# KiCad board KiBoxLite_H.kicad_pcb (continued)
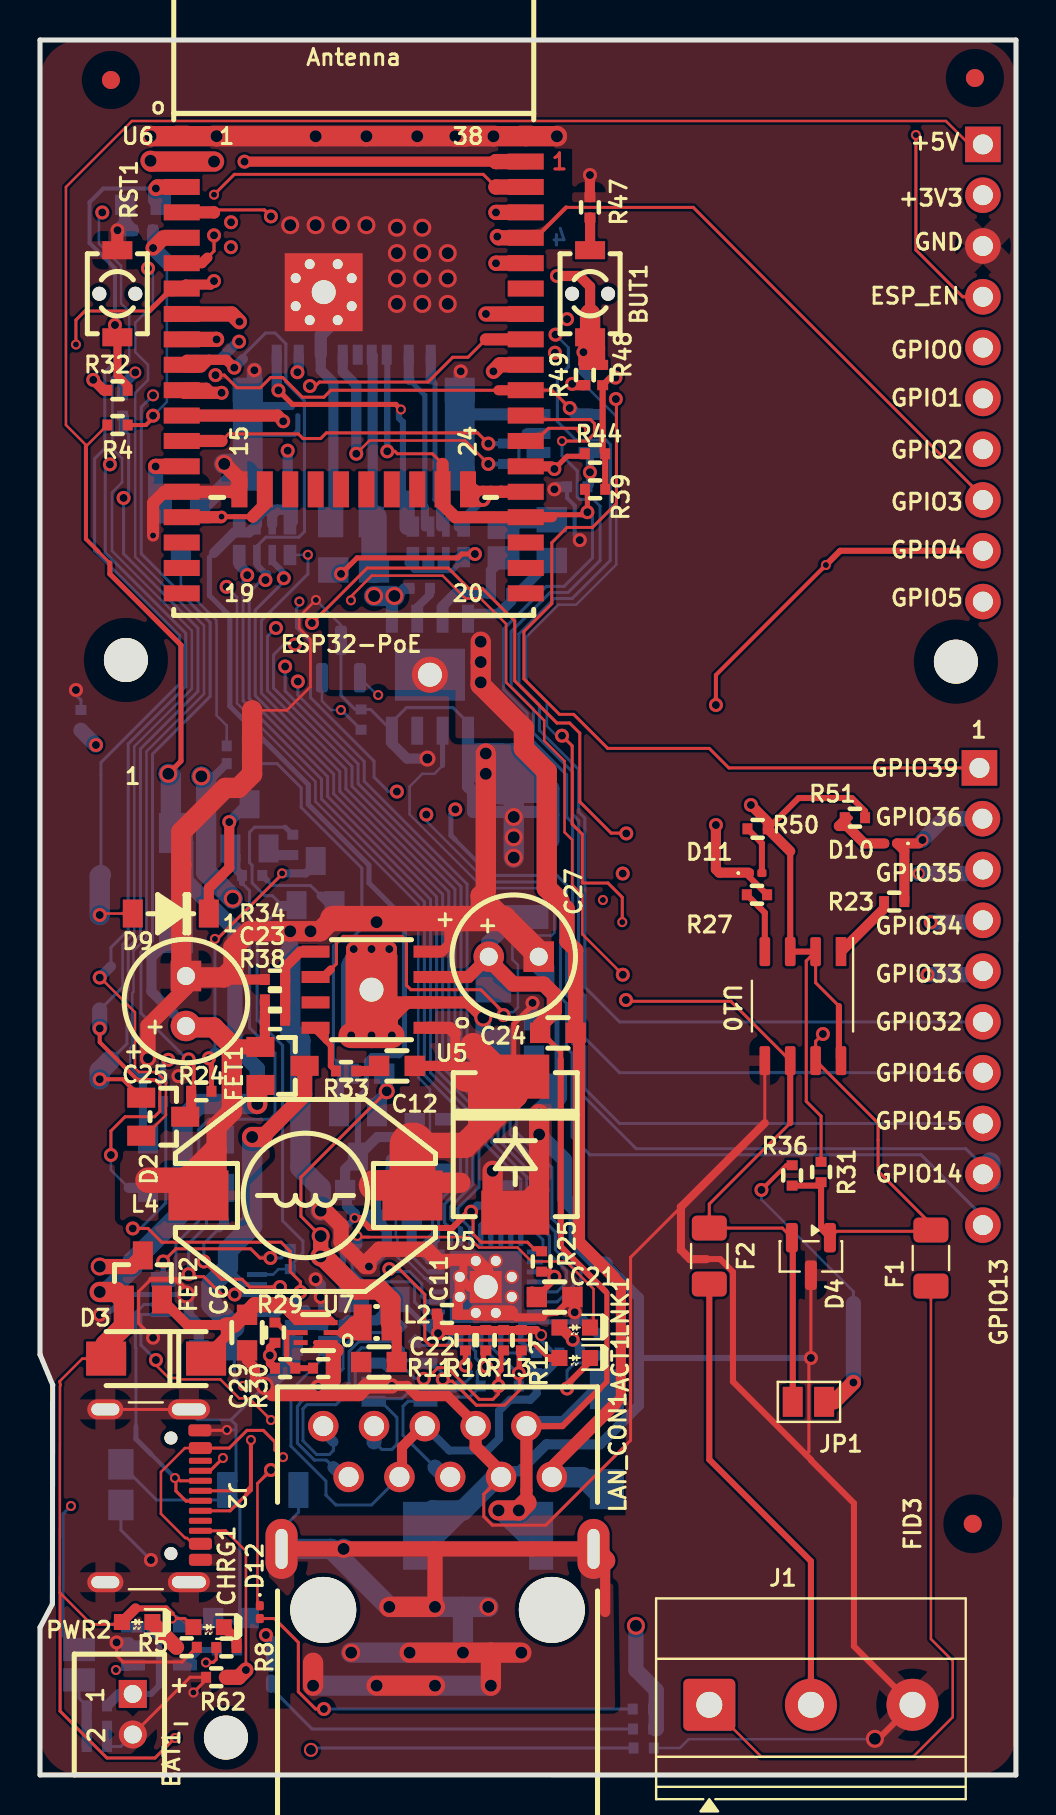
[diagram p0: board, top side]
## Footprints (pads in the part's own frame, mm; a bottom-side part is the same pattern mirrored in y, then rotated) (continued)
RJP-003TC1(LPJ4112CNL)
  round 3.3 hole 3.3 unplated: (-5.715,-0.15) (5.715,-0.15)
  oval 1.6x3 hole 0.6x2: 0(-7.8,2.9) 0(7.8,2.9)
  round 1.524 hole 1: 1(-5.715,9.04) 2(-4.445,6.5) 3(-3.175,9.04) 4(-1.905,6.5) 5(-0.635,9.04) 6(0.635,6.5) 7(1.905,9.04) 8(3.175,6.5) 9(4.445,9.04) 10(5.715,6.5)
SJ
  rect 1.168x1.6 smd: 1(-0.762,0) 2(0.762,0)
SMA-KA
  rect 2x1.7 smd: 1(-2.5,0) 2(2.5,0)
  rect 1.746x1.192 smd: 1(-2.373,0) 2(2.373,0)
SOD-123_1C-2A_KA
  rect 1x1.4 smd: 1(-1.9,0) 2(1.9,0)
SolderJumper_IND_Data
  rect 1x1.5 smd: 1(-0.77,0) 2(0.8,0)
SOT23
  rect 1.4x1 smd: 1(1.107,-0.95) 2(1.107,0.953) 3(-1.102,-0.003)
SOT23-3
  rect 1.4x1 smd: 1(1.1,-0.95) 2(1.1,0.95) 3(-1.1,0)
SOT-23
  rrect 1.475x0.6 smd: 1(-0.938,0.95) 2(-0.938,-0.95) 3(0.938,0)
SOT-23-5
  rect 1.2x0.55 smd: 1(1.3,-0.95) 2(1.3,0) 3(1.3,0.95) 4(-1.3,0.95) 5(-1.3,-0.95)
SOT-563-6
  rect 0.75x0.23 smd: (-0.775,0.5) (-0.775,0) (-0.775,-0.5) (0.775,0.5) (0.775,0) (0.775,-0.5)
  rect 0.7x0.25 smd: 1(0.75,-0.5) 2(0.75,0) 3(0.75,0.5) 4(-0.75,0.5) 5(-0.75,0) 6(-0.75,-0.5)
TerminalBlock_Phoenix_MKDS-1,5-3-5.08_1x03_P5.08mm_Horizontal
  rrect 2.6x2.6 hole 1.3: 1(0,0)
  round 2.6 hole 1.3: 2(5.08,0) 3(10.16,0)
USB_C_Receptacle_GCT_USB4105-xx-A_16P_TopMnt_Horizontal
  round 0.65 hole 0.65 unplated: (-2.89,2.205) (2.89,2.205)
  rrect 0.6x1.15 smd: A1_B12(-3.274,3.651) A4_B9(-2.387,3.674) B1_A12(3.2,3.68) B4_A9(2.4,3.68)
  rrect 0.3x1.15 smd: A5(-1.25,3.68) A6(-0.25,3.68) A7(0.25,3.68) A8(1.25,3.68) B5(1.75,3.68) B6(0.75,3.68) B7(-0.75,3.68) B8(-1.75,3.68)
  oval 1x2.1 hole 0.6x1.7: SH1(-4.32,3.105) SH4(4.32,3.105)
  oval 1x1.8 hole 0.6x1.4: SH2(-4.32,-1.075) SH3(4.32,-1.075)
uSD(TFC-9P-1.xH(ATFFS150A01BR016))
  rect 1.76x1.46 smd: (-5.3,-1.55) (-5.3,2.9) (5.3,-1.55) (5.3,2.9)
  rect 0.5x1 smd: 1(3.85,-3.3) 2(2.75,-3.3) 3(1.65,-3.3) 4(0.9,-3.3) 5(-0.55,-3.3) 6(-1.65,-3.3) 7(-2.75,-3.3) 8(-3.85,-3.3) CD1(0.2,-3.3)
  rect 1.5x1.2 smd: CH1(-5.3,-1.55) CH1(-5.3,2.9) CH1(5.3,-1.55) CH1(5.3,2.9)
  rect 1.5x4.5 smd: CH1(-5.3,0.5) CH1(5.3,0.5)

## Nets
+3.3V: C10.1 C22.1 C29.2 EXT1.2 FET3.2 L2.2 L5.1 R2.1 R16.2 R29.2 R32.1 R37.1 R39.1 R44.2 R48.1 R56.1 RM3.1.2 RM3.2.2 RM3.3.2 RM3.4.2 U6.2
+3.3VLAN: C9.1 C14.1 C28.2 FET3.3 L1.1 R25.2 RM1.3.1 RM2.1.1 RM2.2.1 RM2.3.1 RM2.4.1 U4.12 U8.5
+5V: C1.1 CHRG1.2 D1.1 D3.2 EXT1.1 FET1.2 FET2.1 PWR2.2 R1.1 R4.1 R31.1 R50.2 R51.2 U3.4 U10.2 U10.3 U10.8
+5VP: C23.1 C25.1 D1.2 FET1.1 L4.2 R38.1
GND: BAT1.2 C1.2 C2.1 C3.2 C6.2 C7.2 C8.2 C9.2 C11.2 C13.2 C14.2 C15.2 C16.2 C17.2 C18.2 C19.2 C20.2 C21.1 C22.2 C25.2 C26.2 C27.2 C28.1 D4.3 D4#2.3 D5.2 EXT1.3 J1.3 J2.A1_B12 J2.B1_A12 J2.SH1 J2.SH2 J2.SH3 J2.SH4 L7.1 L7.2 LAN_CON1.7 LAN_CON1.8 MICRO_SD1.6 MICRO_SD1.CH1 R1.2 R5.2 R6.2 R7.2 R9.2 R15.2 R22.2 R26.2 R30.2 R34.2 R35.2 R41.1 R42.2 R47.2 R62.2 R63.1 RM1.1.1 RM1.2.1 RST1.2 T1.2 TVS1.2 U1.3 U3.2 U4.24 U4.25 U4.33 U5.4 U6.1 U6.15 U6.38 U6.39 U7.1 U8.3 U9.5 U9.8 U10.5
VBUS: C7.1 FET1.3 J2.A4_B9 J2.B4_A9 R18.1 U1.7
/D+: J2.A6 J2.B6 U1.1
/D-: J2.A7 J2.B7 U1.2
/D_Com: D2.3 R24.2 R49.2
/ESP_EN: C20.1 D9.2 EXT1.4 R32.2 RST1.1 U6.3
/GPI34\BUT1: BUT1.1 EXT2.4 R48.2 R49.1 U6.6
/GPI35: BAT_SENS_E1.1 EXT2.3 U6.7
/GPI36\U1RXD: D10.1 EXT2.2 R23.1 U6.4
/GPI39: EXT2.1 R4.2 R9.1 U6.5
/GPIO0: D2.2 EXT1.5 R44.1 U6.25 U8.2
/GPIO1\U0TXD: D7.1 EXT1.6 U6.35
/GPIO2\HS2_DATA0: D2.1 EXT1.7 R46.1 RM3.4.1 U6.24
/GPIO3\U0RXD: D6.2 EXT1.8 R16.1 R19.2 U6.34
/GPIO4\U1TXD: D11.1 EXT1.9 R27.1 U6.26
/GPIO5\SPI_CS: EXT1.10 U6.29
/GPIO12\PHY_PWR: T1.1 U6.14
/GPIO13\I2C-SDA: EXT2.10 U6.16
/GPIO14\HS2_CLK: EXT2.9 R40.1 U6.13
/GPIO15\HS2_CMD: EXT2.8 MICRO_SD1.3 R39.2 U6.23
/GPIO16\I2C-SCL: EXT2.7 R45.2 U6.27
/GPIO17\EMAC_CLK_OUT_180: U4.5 U6.28 U8.4
/GPIO18\MDIO(RMII): RM2.4.2 U4.16 U6.30
/GPIO19\EMAC_TXD0(RMII): U4.22 U6.31
/GPIO21\EMAC_TX_EN(RMII): U4.21 U6.33
/GPIO22\EMAC_TXD1(RMII): U4.23 U6.36
/GPIO23\MDC(RMII): U4.17 U6.37
/GPIO25\EMAC_RXD0(RMII): RM2.2.2 U4.11 U6.10
/GPIO26\EMAC_RXD1(RMII): RM2.1.2 U4.10 U6.11
/GPIO27\EMAC_RX_CRS_DV: RM2.3.2 U4.15 U6.12
/GPIO32: EXT2.6 U6.8
/GPIO33: EXT2.5 R45.1 U6.9
/RD+: LAN_CON1.3 R11.2 TVS1.1 TVS3.1 U4.31
/RD-: LAN_CON1.6 R10.2 TVS1.5 TVS3.2 U4.30
/TD+: LAN_CON1.1 R13.2 TVS1.3 TVS2.2 U4.29
/TD-: LAN_CON1.2 R12.2 TVS1.4 TVS2.1 U4.28
Spare1: C24.1 C27.1 D8.1 LAN_CON1.9 R7.1 R28.2 R42.1 R52.1 U5.3 U9.1
Spare2: C24.2 D8.2 LAN_CON1.10 R53.2 R54.1 U9.4 U9.9
Net-(ACT1-A): ACT1.2 U4.3
Net-(ACT1-K): ACT1.1 R15.1
Net-(BAT_SENS_E1-Pad2): BAT_SENS_E1.2 C19.1 R17.2 R22.1
Net-(BUT1-Pad2): BUT1.2 R47.1
Net-(C10-Pad2): C10.2 FET3.1 R2.2 R3.1
Net-(C12-Pad2): C12.2 R33.2
Net-(C26-Pad1): C26.1 R43.1
Net-(CHRG1-K): CHRG1.1 R8.1
Net-(Class4_EN1-Pad1): Class4_EN1.1 R54.2
Net-(D3-K): C6.1 D3.1 FET2.2 U7.3 U7.4
Net-(D4-A1): D4.1 D4#2.1 F1.1 R31.2 R36.1 U10.7
Net-(D4-A2): D4.2 D4#2.2 F2.1 JP1.1 R35.1 U10.6
Net-(D5-K): C12.1 D5.1 L4.1 R43.2 U5.1
Net-(D9-K): D9.1 Q2.3
Net-(D10-A): D10.2 R51.1
Net-(D11-A): D11.2 R50.1
Net-(D12-A): D12.2 R56.2
Net-(D12-K): D6.1 D12.1 U1.8
Net-(D13-A): D13.2 R37.2
Net-(D13-K): D7.2 D13.1 R18.2 U1.9
Net-(J1-Pin_1): F1.2 J1.1
Net-(J1-Pin_2): F2.2 J1.2
Net-(J2-CC1): J2.A5 R63.2
Net-(J2-CC2): J2.B5 R62.1
Net-(JP1-B): JP1.2 R36.2
Net-(LAN_CON1-RCT): C11.1 C13.1 C15.1 C16.1 L1.2 LAN_CON1.4 LAN_CON1.5 R10.1 R11.1 R12.1 R13.1 R14.1 U4.1 U4.27
Net-(LAN_CON1-Shield): C2.2 LAN_CON1.0
Net-(LNK1-A): LNK1.2 R14.2
Net-(LNK1-K): LNK1.1 U4.2
Net-(MICRO_SD1-CD/DAT3/CS): MICRO_SD1.2 RM3.2.1
Net-(MICRO_SD1-CLK/SCLK): MICRO_SD1.5 R40.2
Net-(MICRO_SD1-DAT0/DO): MICRO_SD1.7 R46.2
Net-(MICRO_SD1-DAT1/RES): MICRO_SD1.8 RM3.1.1
Net-(MICRO_SD1-DAT2/RES): MICRO_SD1.1 RM3.3.1
Net-(MICRO_SD1-VDD): C3.1 L5.2 MICRO_SD1.4
Net-(PWR2-K): PWR2.1 R5.1
Net-(Q2-B): Q2.1 R20.2
Net-(Q2-E): Q2.2 R21.1 U1.4
Net-(Q3-B): Q3.1 R21.2
Net-(Q3-C): Q3.3 R24.1
Net-(Q3-E): Q3.2 R20.1 R55.1 U1.6
Net-(R28-Pad1): R28.1 U5.2 U5.9
Net-(T1-C): R3.2 T1.3
Net-(U1-CTS#): R55.2 U1.5
Net-(U1-V3): C8.1 R19.1 U1.10
Net-(U3-CHRGb): R8.2 U3.1
Net-(U3-PROG): R6.1 U3.5
Net-(U3-VBAT): BAT1.1 FET2.3 R17.1 U3.3
Net-(U4-NRST): C21.2 R25.1 U4.19
Net-(U4-RBIAS): R26.1 U4.32
Net-(U4-RXCLK/PHYAD1): RM1.1.2 U4.7
Net-(U4-RXD2/RMIISEL): RM1.3.2 U4.9
Net-(U4-RXD3/PHYAD2): RM1.2.2 U4.8
Net-(U4-RXER/RXD4/PHYAD0): R41.2 U4.13
Net-(U4-VDDCR): C17.1 C18.1 U4.6
Net-(U5-BS): R33.1 U5.8
Net-(U5-EN): U5.6 U9.6
Net-(U5-FB): C23.2 R34.1 R38.2 U5.5
Net-(U7-FB): C29.1 R29.1 R30.1 U7.5
Net-(U7-SW): L2.1 U7.2
Net-(U9-CLS): Class4_EN1.2 R53.1 U9.3
Net-(U9-DEN): R52.2 U9.2
Net-(U10-DI): R27.2 U10.4
Net-(U10-RO): R23.2 U10.1

Pads without a net: FID1 Fid1; FID2 Fid1; FID3 Fid1; FID4 e; FID5 Fid1; FID6 Fid1; J2 A8 B8; MICRO_SD1 CD1; RM1 4.1 4.2; U4 4 14 18 20 26; U5 7; U6 17 18 19 20 21 22 32; U7 6; U8 1; U9 7

## Via types
v1: diameter 0.7, hole 0.4, Top to Bottom, 139 vias
v2: diameter 0.6, hole 0.4, Top to Bottom, 5 vias
v3: diameter 0.9, hole 0.6, Top to Bottom, 71 vias
v4: diameter 0.5, hole 0.3, Top to Bottom, 34 vias
v5: diameter 0.8, hole 0.5, Top to Bottom, 3 vias
v6: diameter 0.7, hole 0.5, Top to Bottom, 1 via

## Routing (per net, layer and track width the routed paths; a pad name or vN(x,y) marks a point on that pad's centre or on a via; arc(x,y) is an arc through that point)
+3.3V: length 260.3
  Top w0.152: v5(17.34,34.19) 13.05,29.89 13.05,27.94 v3(14.04,26.95)
  Top w0.254: v1(15.05,60.06) 15.85,60.86 20.89,60.86 21.09,61.05 v1(21.75,61.05)
  Top w0.305: R39.1 R44.2 28.13,66.19 R48.1 28.51,69.87 v1(28.78,69.87)
  Top w0.406: R29.2 11.5,21.36 v1(11.5,20.98) 11.5,20.6 C29.2
  Top w0.508: L2.2 17.84,22.32 17.84,20.72 ; R32.1 3.18,69.24 v1(2.66,69.76)
  Top w0.762: v3(14.04,25.93) v3(14.04,26.95)
  Top w1.016: v3(14.04,25.93) 14.16,25.93 15.81,24.28 16.96,24.28 17.53,23.71 L2.2 ; v3(5.53,80.71) 5.57,80.67 v3(8.7,80.67)
  In1.Cu w0.11: 2.66,64.55 2.55,64.67 ; 2.55,69.64 v1(2.66,69.76)
  In1.Cu w0.127: v1(28.78,69.87) 27.83,70.82 27.83,73.37 27.47,73.72 27.47,74.28 20.5,81.25 9.28,81.25 ; v1(6.42,35.76) 7.01,36.35 15.17,36.35 v5(17.34,34.19)
  In1.Cu w0.152: v1(2.66,69.76) 2.37,70.05 2.37,73.03 1.85,73.55 1.85,77.68 4.88,80.71 ; 14.92,59.45 14.92,55.03 9.83,49.93 ; 7.02,36.37 7.68,36.37 10.35,39.03 10.35,43.11 v3(9.64,43.82) ; v1(11.5,20.98) 11.43,21.05 11.43,24.64 12.72,25.93 ; 20.7,61.05 18.3,63.45 4.6,63.45 4.42,63.27 3.94,63.27 2.66,64.55
  In1.Cu w0.203: 2.55,64.67 2.55,69.64
  In1.Cu w0.254: v1(6.42,35.76) 7.02,36.37
  In1.Cu w0.508: 37.89,78.99 v1(28.78,69.87) ; 9.28,81.25 v3(8.7,80.67) ; 12.72,25.93 v3(14.04,25.93)
  In1.Cu w0.762: v1(15.05,60.06) 14.92,59.93 14.92,59.45 ; 4.88,80.71 v3(5.53,80.71) ; v1(21.75,61.05) 20.7,61.05 ; 47.3,78.99 37.89,78.99 ; v3(8.07,49.93) 9.83,49.93
  In2.Cu w0.152: v3(29.8,7.46) 29.8,15.07 23.36,21.5 18.47,21.5 v3(14.04,25.93) ; 47.3,78.99 45.03,81.26 9.29,81.26 v3(8.7,80.67)
  Bottom w0.254: 19.24,60.22 18.71,60.22 18.35,60.58 18.35,60.86 ; 19.24,60.22 19.24,60.86 ; 19.24,60.22 20,60.22 ; 20,60.22 20.61,60.22 20.89,60.5 20.89,60.86 ; 20,60.22 20,60.86
  Bottom w0.305: v1(6.42,35.76) 6.16,35.51 R16.2
  Bottom w0.406: R2.1 8.7,49.93 v3(8.07,49.93) ; v1(21.75,61.05) 21.09,61.05 20.89,60.86
  Bottom w0.508: FET3.2 16.85,33.7 v5(17.34,34.19) ; 14.16,60.6 14.32,60.6 L5.1
  Bottom w0.61: v5(17.34,34.19) 17.34,34.95 C10.1
  Bottom w0.762: 30.8,2.3 30.81,2.31 30.81,4.23 29.8,5.25 v3(29.8,7.46) ; 14.86,60.25 v1(15.05,60.06) 14.87,60.06 L5.1 14.86,60.25
  Bottom w1.016: v3(8.07,49.93) 8.31,49.69 8.31,45.15 v3(9.64,43.82)
+3.3VLAN: length 90.3
  Top w0.152: v1(21.55,28.17) 21.66,28.06 21.66,27.05 22.06,26.64 24.37,26.64 24.7,26.31
  Top w0.254: R25.2 24.96,26.31 24.7,26.31
  Top w0.305: 21.43,28.17 20.61,27.35 16.48,27.35 15.98,27.85 v4(15.73,27.85)
  Top w0.406: v1(21.55,28.17) 21.43,28.17
  In1.Cu w0.254: v1(12.38,66.22) 12.42,66.25 ; 26.53,66.01 24.25,66.01 22.93,67.33 15.18,67.33 14.1,66.25 ; 27.41,65.14 v1(27.5,65.14)
  In1.Cu w0.508: 12.42,66.25 14.1,66.25 ; 26.53,66.01 27.41,65.14
  Bottom w0.152: 15.73,27.84 v4(15.73,27.85)
  Bottom w0.254: U4.12 22.04,27.48 22.54,27.99 C14.1 ; 15.89,33.89 16.32,34.31 16.32,35.71 16.58,35.96 17.97,35.96 18.23,36.22 18.23,42.82 16.45,44.6 16.45,45.5 13.42,48.53 13.42,49.52 9.49,53.44 9.49,57.95 8.47,58.97 8.47,60.88 8.7,61.11
  Bottom w0.305: 15.73,27.84 15.15,27.25 15.15,24.44 15.81,23.77 ; 15.89,33.89 FET3.3
  Bottom w0.406: v1(21.55,28.17) 21.86,28.47 C14.1 ; C28.2 27.5,64.54 v1(27.5,65.14) 27.5,66.1 U8.5 ; 11.37,63.14 11.24,63.27
  Bottom w0.508: 11.88,63.27 11.24,63.27 10.85,62.87 RM2.2.1 10.45,62.12 9.72,62.12 8.7,61.11 ; 11.88,63.27 12.64,63.27 ; 11.88,63.27 11.61,63 RM2.3.1 ; v1(12.38,66.22) 12.38,63.52 12.64,63.27 ; RM1.3.1 16.87,31.9 FET3.3 ; FET3.3 15.89,31.34 ; FET3.3 15.26,30.29 C9.1 15.35,29.16 15.35,28.45 15.73,28.06 v4(15.73,27.85) ; RM2.4.1 12.64,62.67 12.64,63.27
+5V: length 235.2
  Top w0.127: D3.2 2.12,20.82 0.97,19.68 1,19.65 1,19.57 1.03,19.5 1,19.43 0.98,9.13 2.58,7.53 ; R4.1 2.3,66.43 2.3,66.5 1.3,67.5 1.3,79.4 4.6,82.7 45.3,82.7 46.47,81.53 EXT1.1
  Top w0.152: R50.2 36.39,47.66 ; CHRG1.2 7.24,7.83 v4(6.6,7.83) ; 39.95,38.45 38.78,39.62 U10.2 38.31,40.7 38.31,33.68 39.05,32.94 R31.1 ; U10.8 39.95,35.82 ; 1,9.11 1,3.19 3.35,0.85 5.75,0.85 v4(6.75,1.85) ; 4.1,7.53 2.58,7.53 ; 3.49,60.6 2.92,61.18
  Top w0.203: 2.3,66.43 2.3,61.8 2.92,61.18
  Top w0.254: v3(6.42,50.06) 7.05,50.7 7.05,56.5 3.49,60.05 3.49,60.6
  Top w0.305: 37.51,46.19 U10.3 U10.2 ; v4(6.6,7.83) 6.6,8.03 6.3,8.33 4.78,8.33 ; R50.2 37.93,48.85 40.59,48.85 41.25,48.19 R51.2 ; 39.95,35.82 39.95,38.45
  Top w0.508: 36.39,47.66 v1(35.55,48.5) ; R50.2 37.51,46.19 ; PWR2.2 4.78,8.33
  Top w1.016: D3.2 3.28,20.85 3.28,21.53 4.2,22.44 4.2,23.77 3.81,24.15 v3(2.99,24.15) ; FET1.2 10.86,34.34 v3(10.86,33.55)
  In1.Cu w0.762: v1(2.8,51.5) 2.8,51 3.74,50.06 v3(6.42,50.06)
  In2.Cu w0.127: 30.55,43.32 30.47,43.25 17.1,43.25 17.09,43.26 16.57,43.26 16.56,43.25 14.76,43.25 14.68,43.32
  In2.Cu w0.152: v4(6.6,7.83) 6.75,7.68 v4(6.75,1.85) ; v1(35.55,48.5) 35.55,48.32 30.55,43.32 ; v3(6.42,50.06) 8.25,48.23 9.78,48.23 14.68,43.32
  Bottom w0.15: v1(2.8,51.5) 2.78,51.5
  Bottom w0.305: C1.1 8.21,7.4 U3.4 6.82,7.83 v4(6.6,7.83)
  Bottom w0.762: 2.78,51.5 R1.1 ; D1.1 7.29,46.6 7.29,44.73 9.75,42.27 9.75,36.44 10.86,35.33 v3(10.86,33.55)
  Bottom w1.016: v3(2.99,24.15) 3.37,24.15 4.64,25.42 4.64,25.68 7.13,28.17 7.13,32.74 7.94,33.55 v3(10.86,33.55) ; D1.1 6.54,47.35 6.54,49.93 v3(6.42,50.06)
+5VP: length 26.8
  Top w0.508: C23.1 R38.1 11.24,36.62 FET1.1
  Top w0.762: 9.59,36.47 9.66,36.4 FET1.1
  Top w1.016: 8.83,31.26 8.7,31.26 7.18,29.74 7.18,29.72 7.92,28.98 8.83,29.88 8.83,31.26 ; 8.83,31.26 8.83,32.41 9.59,33.17 9.59,36.47 8.68,37.38 7.3,37.38
  Top w1.27: 7.92,28.98 7.16,29.74 5.4,29.74
  Bottom w0.508: C25.1 5.57,39.18 5.57,40.87 D1.2
GND: length 609.4
  Top w0.127: v4(13.8,58.75) 12.97,57.92 12.97,57.34 13.52,56.78 13.52,54.41 12.34,53.23 10.61,53.23 ; 7.55,9.97 7.55,9.43 ; 8.09,17.02 8.09,17.23
  Top w0.152: R5.2 7.11,5.65 4.15,5.65 3.83,5.97 v1(3.83,6.63) ; v3(16.83,42.64) 16.45,43.02 ; 7.55,18.28 3.37,18.28 ; U10.5 36.24,32.59 29.53,25.88 29.53,16.73 25.29,12.49 22.62,12.49 22.19,12.92 22.19,14.04 LAN_CON1.8 ; 9.92,49.35 10.04,49.35 ; v1(5.65,21.87) 4.93,22.59 4.93,24.17 5.55,24.79 ; 38.3,16.02 38.45,16.17 38.45,20.75 v1(38.55,20.85) D4.3 ; v4(7.67,4.12) 8.31,4.76 R62.2 7.5,4.89 BAT1.2 ; 8.09,17.23 9.33,17.23 v4(9.35,17.25) ; 33.47,25.79 33.33,25.79 ; v1(5.55,10.75) 5.61,10.75
  Top w0.254: 5.55,24.79 6.78,24.79 7.3,24.27 v3(7.3,24.03) ; 13.78,21.61 13.79,21.62 U7.1 14.27,21.36
  Top w0.305: 25.14,22.88 25.36,23.11 25.83,23.11 C21.1 ; v3(41.75,1.81) 41.93,1.81 J1.3 40.7,6.44 40.7,13.59 38.55,15.74 38.55,15.77 34.65,19.67 34.65,25.16 34.01,25.79 33.47,25.79 ; 13.78,21.36 14.27,21.36
  Top w0.406: 36.24,32.59 32.05,28.4 32.05,26.25 32.5,25.79 33.33,25.79 ; 23.53,23.11 23.59,23.11 23.81,22.88 25.14,22.88 ; 26.74,23.52 26.38,23.87 26.38,23.9 26.61,23.9 ; 21.49,24.41 U4.33 21.17,25.09 21.17,25.44 ; 18.61,19.2 18.48,19.33
  Top w0.508: R34.2 9.3,39.77 9.19,39.88 ; LAN_CON1.7 21.78,17.55 20.39,18.94 18.86,18.94 18.35,19.45 v1(17.59,19.45) ; 21.49,24.41 U4.33 ; 13.65,19.33 13.91,19.07 v1(13.91,19.4) ; U4.33 U4.33 20.89,23.81 20.89,23.01 21.69,23.01 U4.33 ; 10.61,52.04 10.61,53.23 10.48,53.36 ; 26.74,23.52 v1(26.74,23.14) ; R47.2 v1(27.5,80) ; D5.2 23.66,28.12 22.63,29.15 ; 21.73,25.76 U4.33 21.75,25.71 ; 20.39,42.82 20.46,42.74 20.46,41.53 20.1,41.17 U5.4 ; v3(11.24,19.45) 11.62,19.07 10.75,19.95 10.75,20.34 10.35,20.74 C6.2 ; 20.21,25.66 20.31,25.76
  Top w0.61: 9.72,64.16 6.22,64.16 5.65,63.6 v4(5.65,61.97) ; LAN_CON1.7 21.78,16.42 23.05,15.15 LAN_CON1.8 ; 20.31,25.76 21.73,25.76 ; RST1.2 3.87,77.23 v1(3.88,77.24)
  Top w0.762: v3(9.21,65.55) 9.99,64.78 9.99,64.43 9.72,64.16 ; U4.33 U4.33 23.53,23.11 ; 20.21,25.66 19.97,25.66 19.34,26.29 16.96,26.29 16.45,25.78 v1(16.45,25.42) 16.27,25.42 15.05,26.64 15.05,27.45 14.29,28.22 v3(14.04,28.22) ; 7.3,39.88 7.3,39.37 5.4,37.46 v5(5.4,35.84) ; v1(13.91,19.4) 14.31,19.4 14.67,19.77 R30.2 14.67,21.23 14.8,21.23 ; 11.62,19.07 15.94,19.07 16.32,19.45 v1(17.59,19.45) ; U4.33 22.29,25.21 U4.33
  Top w1.016: 21.27,81.94 v3(20.77,81.94) ; 21.27,81.94 v3(18.86,81.94) v3(16.32,81.94) v3(13.78,81.94) 8.83,81.94 v3(8.83,81.94) 5.53,81.94 v3(5.53,81.94) ; 21.27,81.94 v3(22.67,81.94) 22.68,81.94 U6.38 25.84,81.94 v3(25.85,81.94) ; 10.61,51.58 10.61,53.23 ; 22.04,43.96 22.29,44.22 v3(22.29,51.08) ; 22.04,43.96 22.04,43.25 21.61,42.82 21.15,42.82 ; 22.04,43.96 23.18,42.82 ; 14.64,42.82 14.01,42.19 v3(13.53,42.19) v3(12.51,42.19) 10.47,42.19 9.67,41.38 9.67,40.36 9.19,39.88 7.3,39.88 7.06,40.12 7.06,47.15 9.27,49.35 9.92,49.35 10.61,50.04 10.61,52.04 ; 23.46,28.22 23.69,27.99 24.96,29.26 v3(24.96,32.03) v3(24.96,33.04) ; v3(22.63,30.21) 22.63,29.15
  Top w1.27: C27.2 24.94,41.06 23.18,42.82 14.64,42.82
  In1.Cu w0.15: v1(5.55,10.75) 6.87,9.43 7.55,9.43 3.37,9.43 3.37,18.07 7.55,18.07 7.55,18.23
  In1.Cu w0.152: v1(27.5,80) 25.85,81.65 v3(25.85,81.94) ; 23.94,62.25 25.72,64.03 v1(25.72,64.28) ; v1(3.83,6.63) 3.05,5.85 3.05,3.79 3.66,3.17 3.66,3.08 6.62,3.08 v4(7.67,4.12) ; v3(14.04,28.22) 13.02,28.22 v5(5.4,35.84) ; v1(1.8,54.25) 1.8,56.5 5.65,60.36 v4(5.65,61.97)
  In1.Cu w1.016: 26.48,40.92 C27.2 24.94,39.67 ; v3(22.29,51.08) 23.31,51.08 23.94,51.71 23.94,62.25
  In1.Cu w1.27: C27.2 24.94,42.8
  In2.Cu w0.152: 47.3,76.45 44.8,78.95 44.8,80.2 44.05,80.95 28.93,80.95 27.97,80 v1(27.5,80) ; v3(5.53,81.94) 3.88,80.29 v1(3.88,77.24)
  In2.Cu w0.762: 19.62,51.08 v3(22.29,51.08) v3(22.29,50.06) 21.91,50.44 19.75,50.44 v5(19.37,50.82) 19.62,51.08
  Bottom w0.127: 9.55,17.76 7.86,17.76 7.55,18.07 ; v3(41.75,1.81) 41.75,1.77 41.73,1.79 32.44,1.79 32,1.35 30.8,1.35 30.8,1.37 ; D4#2.3 15.05,57.5 v4(13.8,58.75)
  Bottom w0.15: 9.55,17.76 9.8,17.51 9.8,14.68 C2.1 ; C2.1 8.87,13.75 5.83,13.75 ; C2.1 9.99,13.63 9.99,7.9 10.04,7.85 C1.2 ; R1.2 2.05,53.75 1.8,54 v1(1.8,54.25)
  Bottom w0.152: 17.5,22.41 17.21,22.12 15.88,22.12 15.15,21.4 15.15,20.32 14.24,19.4 v1(13.91,19.4) ; BAT1.2 4.04,1.42 C19.2 ; 18.02,22.46 17.93,22.37 ; U9.5 21.4,52.61 20.65,53.37 18.33,53.37 17.59,52.64 U9.8 16.53,53.28 R35.2 15.76,53.28 15.05,53.99 D4#2.3 ; 4.07,13.48 L7.1 4.05,12.25 v1(5.55,10.75) ; L7.2 5.83,13.75 ; 9.7,13.59 9.55,13.75 ; 9.55,17.76 v3(11.24,19.45) ; v4(9.35,17.25) 9.8,17.25
  Bottom w0.203: C28.1 26.35,63.85 26.74,63.47 26.74,62 v1(26.99,61.74)
  Bottom w0.254: 25.59,39.26 25.59,38.63 25.85,38.38 25.85,34.44 ; 25.59,39.26 25.59,39.39 25.21,39.77 ; 25.59,39.26 25.59,40.28 25.47,40.41 ; U4.24 24.04,22.66 ; U4.24 27.22,22.66 27.5,22.37 ; U4.24 24.35,22.66 24.04,22.35 U4.25 ; 24.04,22.66 U4.33 ; 24.04,22.66 U4.25 ; 24.96,21.1 24.63,21.1 24.04,21.69 U4.25 ; RM1.2.1 17.97,31.14 17.59,30.76 ; v3(7.3,24.03) U1.3 4.35,24.03 3.52,23.19 3.16,23.19 v1(2.99,23.01) ; 12.89,67.97 12.89,67.2 12.71,67.03 10.57,67.03 MICRO_SD1.CH1
  Bottom w0.305: R6.2 9.85,7.67 9.86,7.68 ; 17.5,22.41 R26.2 ; RM1.1.1 17.59,30.25 ; v1(38.55,20.85) 29.95,20.85
  Bottom w0.406: MICRO_SD1.CH1 10.39,68.45 12.56,68.45
  Bottom w0.508: v3(22.63,30.21) 22.63,29.65 22.8,29.49 22.93,29.49 ; C9.2 16.8,29.02 C17.2 17.34,27.23 C18.2 v1(16.45,25.42) ; 13.27,22.5 13.27,23.26 ; 13.27,22.5 12.51,22.5 12.51,21.23 12.64,21.1 ; 13.27,22.5 C16.2 14.16,23.77 v1(14.04,23.9) 14.04,24.53 v1(13.78,24.79) ; C27.2 24.96,40.92 25.47,40.41 ; C1.2 10.03,7.85 9.86,7.68 ; v1(3.83,6.63) 4.47,6.63 U3.2 ; 14.04,71.01 14.04,70.25 14.67,69.62 14.67,62.89 ; R22.2 C19.2 ; v3(7.3,24.03) 7.43,23.9 7.43,23.01 7.94,22.5 C7.2 ; 21.4,51.33 22.8,51.33 23.05,51.08 ; v1(25.72,64.28) 25.85,64.41 C28.1 ; 22,51.04 22.04,51.08 ; 17.08,28.98 17.34,29.23 ; C7.2 7.69,21.49 ; C7.2 8.19,21.49 ; MICRO_SD1.CH1 20.99,64.83 21.02,64.79 ; R15.2 27.5,22.37 v1(26.74,23.14) ; LAN_CON1.8 23.33,15.19 23.97,15.19 25.31,16.53 28.01,16.53 29.95,18.47 29.95,23.86 28.26,25.55 ; 22.93,29.49 C14.2 ; 22.93,29.49 R41.1 ; v5(19.37,50.82) 18.35,50.82 17.59,51.58 U9.8 ; v1(17.59,19.45) 17.4,19.64 TVS1.2
  Bottom w0.61: v1(21.04,70.18) 20.99,70.13 MICRO_SD1.CH1 ; 21.02,67.2 21.02,67.59 21.46,68.03 U8.3 ; U6.39 14.58,72.74 14.69,72.63 14.04,71.98 14.04,71.01 ; 17.4,29.3 17.59,29.49 17.59,30.76 ; 25.34,39.9 24.94,40.3 C27.2 ; 10.39,64.83 MICRO_SD1.CH1 10.72,67.55 10.72,69.74 ; U9.5 21.4,49.42 21.66,49.17 21.66,48.16 25.34,48.16 25.47,48.03 ; C20.2 4.26,77.62 ; 4.26,77.62 v1(3.88,77.24) R9.2 4.26,77.62
  Bottom w0.762: 10.72,69.74 v1(10.72,70.24) ; 12.51,41.17 v3(12.51,42.19) ; v3(24.96,33.04) v3(24.96,32.03) 26.23,30.76 26.23,28.83 26.81,28.24 26.81,26.63 27.89,25.55 28.26,25.55 ; 10.39,64.81 9.53,64.81 T1.2 ; v3(11.24,19.45) 11.37,19.45 12.64,20.72 12.64,21.1
  Bottom w1.016: 22.04,50.06 22.93,49.17 ; 22.04,50.06 23.05,49.04 23.69,49.04 ; 22.04,50.06 22.04,51.08 ; 21.02,13.23 19.62,13.23 18.76,12.37 18.76,12.09 18.89,11.96 19.75,11.96 21.02,13.23 ; 21.02,13.23 21.15,13.23 22.82,14.9 LAN_CON1.8 ; 12.51,41.17 12.51,37.23 13.02,36.72 13.02,30.38 14.04,29.36 v3(14.04,28.22) ; 23.69,49.04 22.92,49.04 ; 23.69,49.04 v3(23.69,47.9) v3(23.69,46.89) v3(23.69,45.87) ; 22.04,51.08 23.69,51.08 25.47,49.3 25.47,46.76 ; 22.04,51.08 22.42,51.08 23.94,49.55 23.94,49.17 ; 10.39,64.81 9.65,65.55 v3(9.21,65.55) ; v3(24.96,33.04) 25.85,33.93 C26.2
  vias: v1(6.92,34.95) v3(12.51,77.49) v3(13.78,77.49) v3(15.05,77.49) v3(16.32,77.49) v3(17.85,77.36) v3(17.85,76.09) v3(17.85,74.83) v3(17.85,73.56) v3(19.12,77.36) v3(19.12,76.09) v3(19.12,74.83) v3(19.12,73.56) v3(20.39,76.09) v3(20.39,74.83) v3(20.39,73.56)
VBUS: length 38.3
  Top w0.127: 8.12,16.35 7.24,16.35 6.05,15.15 6.05,13.06 7.26,11.85 7.35,11.85 7.64,11.56 8.12,11.56
  Top w0.152: v4(12.15,15.89) 12.1,15.89 11.75,16.24 11.75,16.65 11.17,17.23 10.35,17.23 9.46,16.35 8.12,16.35
  Top w0.762: 11.11,31.9 13.23,34.02 FET1.3
  Top w1.016: v3(10.61,31.9) 11.11,31.9
  In1.Cu w0.152: v4(10.15,19.45) 11.37,18.23 11.75,18.23 12.15,17.83 12.15,15.9 v4(12.15,15.89)
  Bottom w0.152: v4(10.15,19.45) 9.72,19.88 9.72,21.23
  Bottom w0.254: U1.7 10.23,24.53 9.4,25.36
  Bottom w0.305: 9.72,22.37 9.72,21.23 ; R18.1 10.48,27.58 10.61,27.45
  Bottom w1.016: 9.72,22.37 8.57,23.52 8.57,24.53 9.4,25.36 9.4,26.25 10.61,27.45 v3(10.61,31.9)
/D+: length 20
  Top w0.127: v4(11.55,17.75) 10.46,18.83 9.96,18.83 9.02,19.78 7.02,19.78 6.95,19.85 6.44,19.85 5.8,20.49 v1(5.8,20.75)
  Top w0.152: 10.55,14.45 10.31,14.21 8.12,14.21 ; 8.12,13.21 9.51,13.21 10.3,14
  Top w0.201: 10.3,14 10.55,14.25 v4(10.55,16.75)
  In2.Cu w0.152: v4(10.55,16.75) v4(11.55,17.75)
  Bottom w0.152: v1(5.8,20.75) 5.05,21.5 5.05,23 5.07,23.03 U1.1
/D-: length 14.2
  Top w0.152: 8.12,14.71 7.01,14.71 6.87,14.85 v4(6.75,14.85) 6.8,14.8 6.8,14.2 7.3,13.7 8.12,13.7
  Bottom w0.15: U1.2 5.2,23.53 4.98,23.3 4.96,23.3 4.77,23.12 4.77,21.38 4.8,21.36 4.8,17.5
  Bottom w0.201: v4(6.75,14.85) 5.55,16.05 ; 4.8,17.5 4.8,17.4
  Bottom w0.254: 4.8,17.4 4.8,16.8 5.55,16.05
/D_Com: length 63.2
  Top w0.203: R24.2 7.69,34.31 7.69,35.53 v1(7.43,35.78)
  Top w0.508: v1(26.61,69.56) 26.67,69.49 R49.2 27.12,69.49 ; 7.3,32.91 7.68,32.91 7.69,32.92 ; R24.2 7.56,33.21 7.26,32.91
  In1.Cu w0.152: v2(5.65,68.98) 6.11,68.53 11.5,68.53 11.62,68.65 16.96,68.65 17.86,69.56 v1(26.61,69.56)
  Bottom w0.152: v2(5.65,68.98) 5.06,68.39 5.06,61.06 8.51,57.62 8.51,53.93 5.63,51.05 5.63,41.73 5.04,41.14 5.04,38.1 7.36,35.78 v1(7.43,35.78)
/ESP_EN: length 103
  Top w0.127: D9.2 3.06,43.07
  Top w0.152: 47.3,73.91 46.14,73.91 43.8,76.25 v4(43.8,82) ; 3.06,43.07 v1(2.99,43) ; 5.79,79.4 U6.3
  Top w0.406: R32.2 4.38,69.46 3.88,69.97 3.88,71.88 RST1.1
  Top w0.508: RST1.1 3.75,72 v1(3.75,72.5)
  Top w0.762: U6.3 5.87,79.4 v1(5.79,79.33)
  In2.Cu w0.152: v4(43.8,82) 42.55,83.25 9.18,83.25 5.79,79.87 v1(5.79,79.33)
  Bottom w0.15: 3.05,50 3.05,50.62
  Bottom w0.152: v1(3.75,72.5) 3.75,70.66 3.24,70.15 3.24,66.33 2.73,65.82 2.73,61.21 6.98,56.96 6.98,54.56 3.05,50.62 ; 3.05,45 3.05,50
  Bottom w0.203: v1(5.79,79.33) 3.17,79.33 2.48,78.64 2.48,76.6 3.75,75.33 v1(3.75,72.5)
  Bottom w0.762: C20.1 5.79,78.75 v1(5.79,79.33)
  Bottom w1.016: v1(2.99,43) 2.99,44.94 3.05,45
/GPI34\BUT1: length 85.9
  Top w0.152: 8.37,75.87 8.7,76.2 v1(8.7,76.98) ; v4(29.11,42.64) 29.11,43.88 28.4,44.6 27.12,44.6 27.12,47.04 26.61,47.55 26.61,51.46 v1(26.1,51.97)
  Top w0.508: 27.5,71.9 27.17,71.58 v1(27.17,71.14) 27.17,70.58 R49.1 27.62,70.51 ; 8.37,75.87 8.1,75.59 7.19,75.59 ; 27.62,70.51 27.51,70.63 BUT1.1 28.01,71.39 28.01,70.51 ; 27.62,70.51 R48.2 ; 27.51,73.06 27.51,74.42 26.98,74.95 v1(25.85,74.95)
  Top w1.016: BUT1.1 27.51,73.06
  In1.Cu w0.254: v1(8.7,76.98) 8.7,77.96 10.04,79.3 19.6,79.3 22.68,76.22 23.37,76.22 24.64,74.95
  In1.Cu w0.508: v4(29.11,42.64) v1(44.55,42.64) ; 24.64,74.95 v1(25.85,74.95)
  Bottom w0.127: 27.37,69.38 28.82,67.93 28.82,60.52 26.81,58.52 25.92,58.52 24.32,56.92 24.32,54.68 25.35,53.65 25.35,52.45 25.83,51.97 v1(26.1,51.97)
  Bottom w0.152: 47.48,42.64 47.57,42.73
  Bottom w0.305: 27.37,69.38 27.37,70
  Bottom w0.508: v1(27.17,71.14) 27.17,70.2 27.37,70
  Bottom w0.762: v1(44.55,42.64) 47.48,42.64
/GPI35: length 145.6
  Top w0.152: 5.46,73.2 2.25,73.2 1.8,72.75 v4(1.8,71.53) ; 6.59,74.32 U6.7
  Top w0.254: 5.46,73.2 6.59,74.32
  Top w0.508: U6.7 7.28,74.52 8.52,74.52 v1(8.7,74.7)
  In1.Cu w0.152: v2(43.95,45.07) 43.41,44.54 29.67,44.54 ; 25.6,72.79 24.2,71.4 12.4,71.4 9.65,74.15
  In1.Cu w0.508: 25.6,72.79 v1(26.35,72.79) ; 29.67,44.54 v1(29.14,45.07) ; v1(8.7,74.7) 9.1,74.7 9.65,74.15
  In2.Cu w0.152: v1(29.14,45.07) 28.17,45.07 26.99,46.25 26.99,51.97 24.32,54.63 24.32,62.03 26.58,64.29 26.58,66.5 26.58,66.5 26.58,66.9 26.58,66.9 26.58,67.58 27.37,68.37 27.37,69.75 26.35,70.76 v1(26.35,72.79)
  In2.Cu w0.203: v4(1.8,71.53) 1.24,70.97 1.24,13.76 v4(1.55,13.45)
  Bottom w0.152: v4(1.55,13.45) 1.15,13.05 1.15,7.08 ; 47.57,45.27 47.07,45.27 46.87,45.07
  Bottom w0.305: 1.15,7.08 BAT_SENS_E1.1
  Bottom w0.762: v2(43.95,45.07) 46.87,45.07
/GPI36\U1RXD: length 79.4
  Top w0.127: 43.95,46.58 v2(44.12,46.75)
  Top w0.152: 8.7,78.13 8.83,78.25 11.22,78.25 v1(11.55,77.93) ; v1(29.31,47.08) 29.3,47.09 28.56,47.09 26.99,48.66 26.99,52.09 26.48,52.6 25.85,52.6 23.74,54.71 23.74,57.71 22.11,59.33 21.43,59.33 20.42,60.35 16.36,60.35 14.2,58.19 14.18,58.19 v1(13.6,57.6)
  Top w0.508: 43.95,46.58 D10.1 43.22,46.22 R23.1
  Top w0.61: U6.4 8.7,78.13 8.7,78.13
  In1.Cu w0.152: v2(44.12,46.75) 29.64,46.75
  In1.Cu w0.762: 29.64,46.75 v1(29.31,47.08)
  In2.Cu w0.152: v1(11.55,77.93) 11.55,75.34 8.19,71.98 8.19,59.69 9.76,58.12 13.04,58.12 13.56,57.6 v1(13.6,57.6)
  Bottom w0.762: v2(44.12,46.75) 45.19,47.81 EXT2.2
/GPI39: length 78.7
  Top w0.152: v1(28.79,68.8) 28.82,68.77 28.82,63.58 27.62,62.38 26.35,62.38 25.59,61.62 25.59,58.57 24.2,57.17 24.2,54.81 25.97,53.03 26.68,53.03 28.39,51.33 33.47,51.33 34.44,50.35 47.57,50.35
  Top w0.203: R4.2 5.3,67.5 5.65,67.86 v1(5.65,67.97)
  Top w0.61: U6.5 6.17,76.86
  Top w0.762: 6.17,76.86 v1(5.65,76.35)
  In1.Cu w0.152: 28.67,68.93 26.28,68.93 25.97,69.24 18.1,69.24 17.21,68.35 11.88,68.35 11.5,67.97 v1(5.65,67.97)
  In1.Cu w0.508: v1(28.79,68.8) 28.67,68.93
  Bottom w0.127: 6.35,75.66 6.35,68.66 v1(5.65,67.97)
  Bottom w0.61: v1(5.65,76.35) R9.1
  Bottom w0.762: 6.35,75.66 v1(5.65,76.35)
/GPIO0: length 97
  Top w0.127: D2.2 5.26,31.97 6.3,33 6.3,34.67 5.82,35.15 4.94,35.15 4.75,35.35 4.75,38.14 3.02,39.87 v1(2.99,39.87)
  Top w0.254: R44.1 27.12,65.94 26.35,65.94 v1(25.72,65.3)
  Top w0.406: v1(25.72,65.3) 25.59,65.43
  Top w0.508: 25.59,65.43 U6.25
  In1.Cu w0.127: 23.43,65.3 22.8,64.67 22.04,64.67 21.4,65.3 21.4,66.44 20.94,66.9 15.51,66.9 14.29,65.68 11.88,65.68 11.29,66.26 4.23,66.26
  In1.Cu w0.152: 39.42,64.52 26.5,64.52 ; 47.3,71.37 47.18,71.25
  In1.Cu w0.508: 23.43,65.3 v1(25.72,65.3) 26.5,64.52
  In1.Cu w0.762: 39.42,64.52 46.15,71.25 47.18,71.25 ; 4.23,66.26 v1(3.49,65.53)
  Bottom w0.152: 24.32,67.08 23.94,66.7 23.94,65.55 24.2,65.3 v1(25.72,65.3) ; v1(3.49,65.53) 3.26,65.3 3.26,61.11 7.29,57.09 7.29,54.43 4.41,51.56 4.41,42.24 3.55,41.37 3.55,40.43
  Bottom w0.508: 3.55,40.43 v1(2.99,39.87) ; U8.2 24.32,67.08
/GPIO1\U0TXD: length 110.7
  Top w0.152: v1(3.55,31) 3.55,32.21 4.26,32.91 5.72,32.91 5.99,33.18 5.99,34.51 5.76,34.74
  Top w0.203: v1(2.99,37.33) 2.99,36.64 4.88,34.75 5.75,34.75 5.76,34.74
  Top w0.762: U6.35 22.8,78.13 v1(22.8,78.13)
  In1.Cu w0.152: 4.94,79.96 20.97,79.96 v1(22.8,78.13)
  In1.Cu w0.203: 4.94,79.96 4.65,79.96 3.11,78.42 v1(3.11,78.13)
  In2.Cu w0.152: 47.3,68.83 43.97,68.83 33.92,78.88 23.55,78.88 v1(22.8,78.13)
  Bottom w0.127: v1(3.11,78.13) 2.95,77.96 2.95,76.57 4.05,75.46 4.05,73.58 4.46,73.17 4.46,70.71 3.62,69.87 3.62,66.32 4.1,65.83 4.1,64.63 3.6,64.13 3.6,61.21 7.59,57.22 7.59,54.31 4.71,51.43 4.71,42.11 4.13,41.53 4.13,39.39 ; 4.44,29.36 3.55,30.25 v1(3.55,31)
  Bottom w0.152: 4.13,39.39 2.99,38.25
  Bottom w0.508: D7.1 4.44,29.36
  Bottom w0.61: D7.1 5.33,29.36
  Bottom w0.762: 2.99,38.25 v1(2.99,37.33)
/GPIO2\HS2_DATA0: length 102.5
  Top w0.203: v1(2.99,34.79) 4.14,34.79 5.06,33.87
  Top w0.406: v1(22.15,63.79) 22.16,63.8 22.16,64.16
  Top w0.61: 22.54,64.16 22.18,63.79 v1(22.15,63.79) 21.66,64.28 U6.24 21.53,64.16 22.54,64.16 ; 22.54,64.16 23.05,64.16 23.06,64.16 U6.24
  Top w0.762: v1(22.15,63.79) 21.41,63.79
  In1.Cu w0.152: 4.38,64.05 21.89,64.05 v1(22.15,63.79)
  In1.Cu w0.508: 4.38,64.05 v1(4.18,63.85)
  In1.Cu w0.762: v1(22.15,63.79) 21.75,63.79
  In2.Cu w0.152: v1(22.15,63.79) 21.22,64.72 21.22,69.55 21.61,69.94 21.61,70.42 24.56,73.37 37.93,73.37 45.01,66.29 47.3,66.29
  Bottom w0.152: 4.18,67.28 4.43,67.03 4.43,64.11 v1(4.18,63.85) 4.18,61.06 7.9,57.34 7.9,54.18 5.02,51.3 5.02,41.98 4.41,41.37 4.41,39.28 4.35,39.21 4.35,36.56 3.49,35.71
  Bottom w0.406: v1(22.15,63.79) 20.89,62.53 20.89,62.38
  Bottom w0.508: R46.1 4.18,67.92 4.18,67.28
  Bottom w1.016: v1(2.99,34.79) 2.99,35.2 3.49,35.71
